# Allegro board WeChat_ZM_PART_20200601.brd (continued)
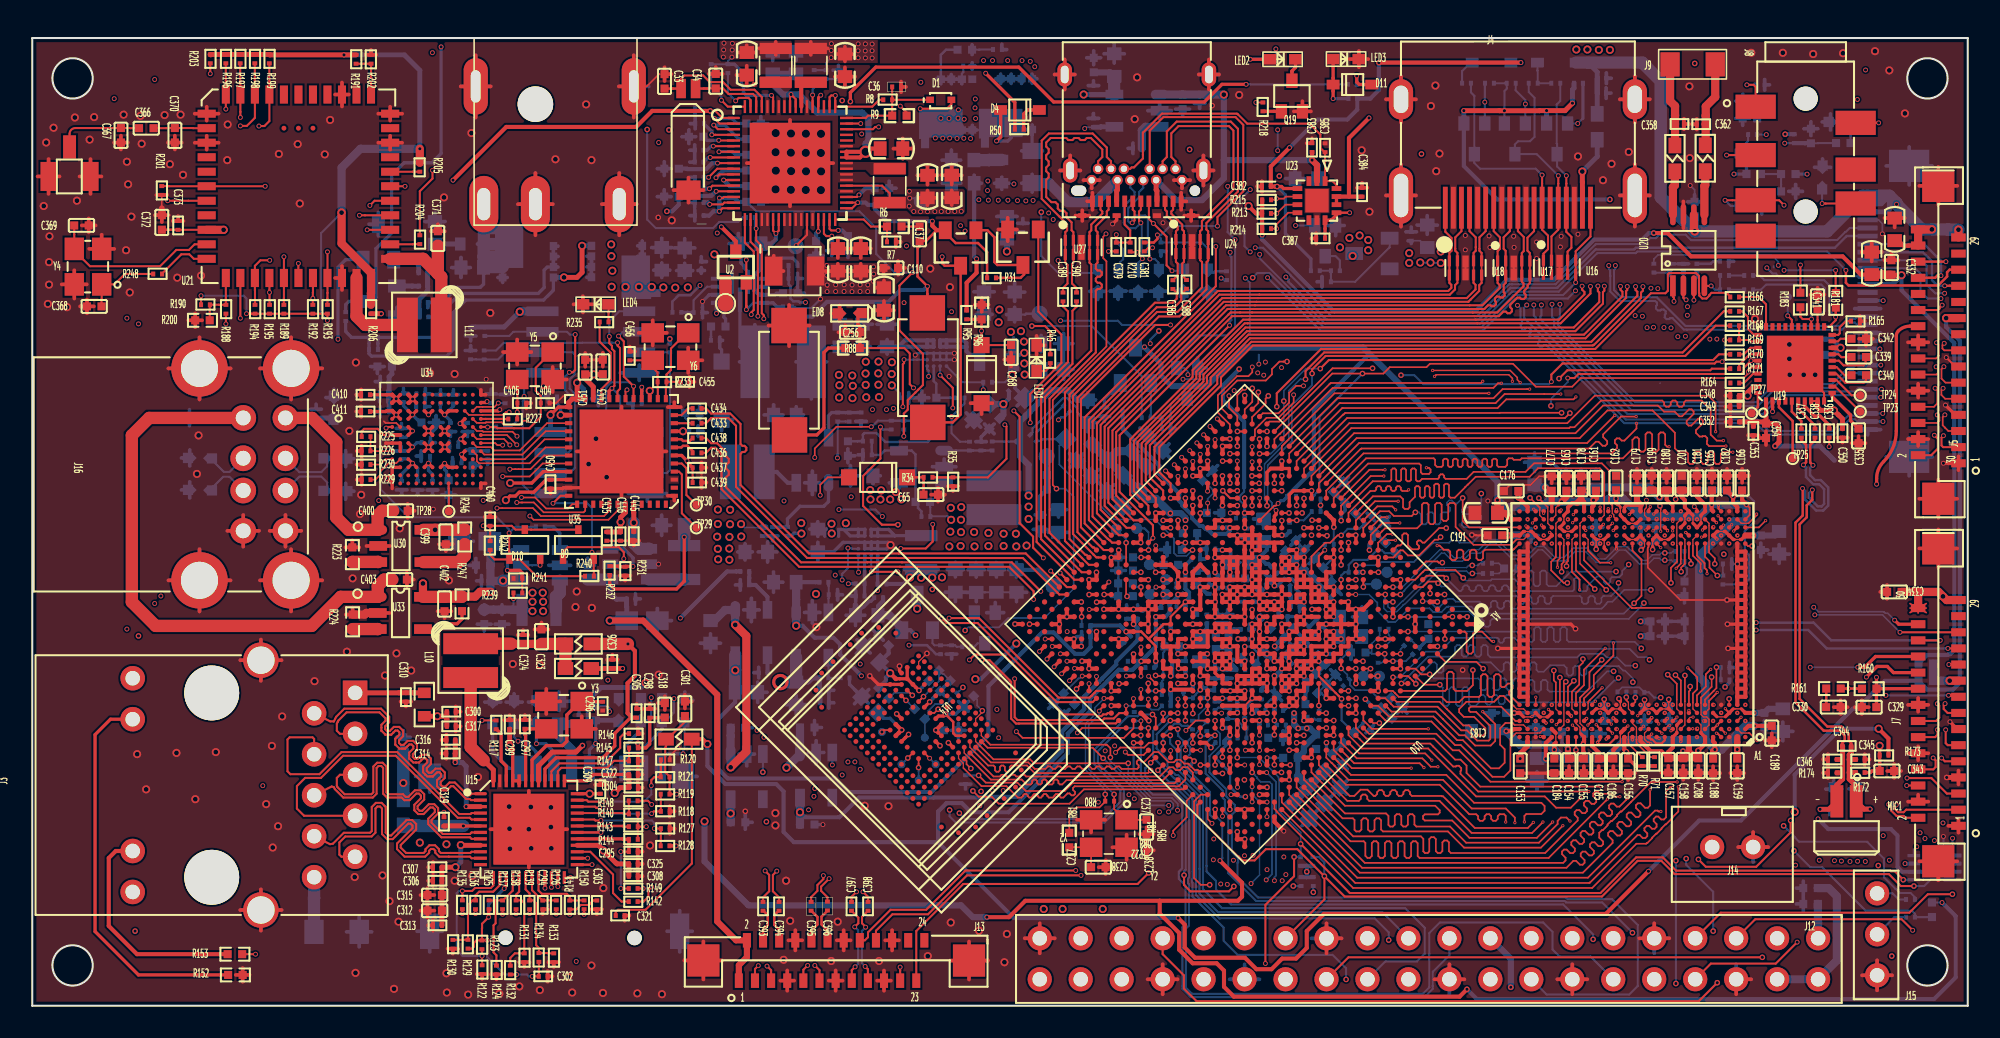
[diagram p0: board, top side]
## Routing (per net, layer and track width the routed paths; a pad name or vN(x,y) marks a point on that pad's centre or on a via; arc(x,y) is an arc through that point) (continued)
  SIG1 w0.127: v1(62.92,21.49) 62.14,20.72 62.14,20.51 62.32,20.34 62.32,20.13 62.14,19.96 62.14,19.75 62.32,19.57 62.32,19.37 62.14,19.19 62.14,18.99 62.32,18.81 62.32,18.61 62.14,18.43 62.14,18.23 62.32,18.05 62.32,17.85 62.14,17.67 62.14,17.47 62.32,17.29 62.32,17.09 62.14,16.91 62.14,16.7 62.32,16.53 62.32,16.32 62.14,16.15 62.14,12.33 59.52,9.71 46.47,9.71 45.91,9.16 45.91,8.61 46.16,8.36 v1(46.16,8.35)
PCIE_TX1P: length 31.6
  TOP w0.127: C393.1 45.31,6.72 45.69,7.1 45.69,8.11 v1(45.44,8.36)
  TOP w0.203: U10.AG30 v1(63.24,22.28)
  SIG1 w0.127: 63.24,22.28 63.24,22.28 ; 63.24,22.28 v1(63.24,22.28) ; 63.24,22.28 62.7,21.73 62.69,21.73 62.52,21.56 62.52,21.56 61.91,20.95 61.91,12.43 59.43,9.94 46.37,9.94 45.68,9.25 45.68,8.61 v1(45.44,8.36)
PGOOD_VDD09: length 1.5
  TOP w0.127: D10.2 v1(31.49,27.31)
  BOTTOM w0.127: v1(31.49,27.31) 31,27.31 U39.5
PGOOD_VDD12: length 5.9
  TOP w0.127: v1(36.68,27.72) 36.68,28.12 36.36,28.44 33.21,28.44 32.91,28.14 D9.1
  BOTTOM w0.127: v1(36.68,27.72) 36.34,27.38 U36.5
PGOOD_VDD18: length 2.1
  BOTTOM w0.203: U39.1 32.71,29.3 32.31,29.7 R238.1
PHONE_DET: length 4.5
  TOP w0.127: J8.5 v1(114.48,54.74)
  BOTTOM w0.127: R180.2 112.73,53.93 112.75,53.94 ED14.1 112.77,54.79 113.26,54.79 113.31,54.74 v1(114.48,54.74)
PHY_XTAL1: length 8.1
  TOP w0.203: C296.1 34.08,18.85 Y3.1 33.98,18.87 33.14,18.03 33.14,16.4 32.88,16.13 31.88,16.13 30.99,15.24 U15.42
PHY_XTAL2: length 4.6
  TOP w0.203: U15.43 30.59,16.77 30.54,16.82 C297.1 30.92,17.17 30.92,17.17 Y3.3
PHYRSTB: length 7.3
  TOP w0.127: v1(36.49,9.56) C295.1 ; R149.1 v1(36.49,7.27)
  TOP w0.203: C295.1 36.99,9.94 36.99,9.94 R144.2 36.64,10.32 36.61,10.35 U15.29
  BOTTOM w0.127: v1(36.49,7.27) v1(36.49,9.56)
PMEB: length 4
  TOP w0.127: R148.1 36.98,12.24 36.99,12.23 R140.2 36.68,11.89 36.62,11.95 U15.33
PMIC_EXT_EN: length 27.1
  TOP w0.152: U1.55 48.73,56.22 48.74,56.23 48.74,56.32 48.88,56.45 v1(48.88,56.45)
  SIG1 w0.152: v1(38.84,53.52) 38.84,50.25 41.4,47.68 v1(41.4,44.66)
  SIG2 w0.152: v1(38.84,53.52) 38.84,55.65 39.63,56.44 42.6,56.44 42.85,56.44 43.23,56.07 43.23,55.81 43.44,55.6 48.44,55.6 48.74,55.9 48.74,56.31 v1(48.88,56.45)
  BOTTOM w0.152: v1(41.4,44.66) 40.8,44.06 40.08,44.06 39.69,43.67 R41.1
PMIC_INT_L: length 66.7
  TOP w0.102: v1(70.58,15.82) U10.M30
  TOP w0.127: U1.49 52.12,54.35 52.26,54.49 v1(52.48,54.49)
  SIG1 w0.127: v1(51.33,14.66) 51.33,15.32 51.23,15.42 51.23,15.43 50.91,15.74 50.91,24.96 52.31,26.36 52.31,27.53 51.44,28.4 51.44,32.59 53.72,34.88 53.72,36.99 53.69,37.02 53.69,37.26 53.72,37.29 53.72,53.24 v1(52.48,54.49)
  SIG2 w0.102: v1(51.33,14.66) 52.26,13.73 56.46,13.73 58.05,15.32 58.17,15.32 58.17,15.32 65.16,15.32 65.95,14.54 68.16,14.54 68.44,14.83 68.44,14.83 68.47,14.86 68.47,15.46 68.99,15.98 69.46,15.98 69.72,15.98 70.1,15.6 70.36,15.6 v1(70.58,15.82)
PMIC_SLEEP_H: length 129.8
  TOP w0.102: v1(66.57,47.86) 66.4,47.69 66.4,46.36 66.6,46.16 66.6,40.88 63.27,37.55 63.27,32.29 v2(63.5,32.06) ; U10.R30 v2(69.2,17.22)
  TOP w0.127: U1.50 v1(51.36,54.7)
  SIG1 w0.102: v1(76.05,39.78) 75.9,39.93 72.46,39.93 v1(71.65,39.13)
  SIG1 w0.127: v1(78.32,48.38) 77.44,47.5 76.13,47.5 76.13,47.5 v1(74.57,47.5) 74.36,47.5 74.36,47.5 66.93,47.5 v1(66.57,47.86) ; v2(57.84,23.27) 57.6,23.27 53.82,19.5 53.82,18.7 54.15,18.37 54.15,17.45 56.87,14.73 v2(56.87,12.14)
  SIG2 w0.127: v1(51.36,54.7) 51.99,55.33 55.27,55.33 57.05,57.1 62.82,57.1 64.48,55.44 72.04,55.44 74.12,53.37 v1(74.12,50.81)
  BOTTOM w0.102: v1(71.65,39.13) 71.65,39.33 71.43,39.54 Q14.1 ; 58.4,23.46 59.93,23.46 60.5,24.03 62.74,24.03 64.57,25.86 64.57,31.55 64.06,32.06 v2(63.5,32.06) ; 58.4,23.46 Q13.1 ; 58.4,23.46 58.02,23.46 v2(57.84,23.27)
  BOTTOM w0.127: Q14.1 70.95,40.27 72.24,41.56 74.07,41.56 74.57,42.07 v1(74.57,47.5) 74.12,47.96 v1(74.12,50.81) ; 76.05,40.37 v1(76.05,39.78) ; v2(69.2,17.22) 67.51,17.22 66.07,15.78 66.07,15.04 67.68,13.43 67.68,12.56 66.47,11.36 57.26,11.36 56.87,11.74 v2(56.87,12.14) ; Q12.1 v1(78.32,48.38)
PORT_CEC: length 16
  TOP w0.127: v1(93.61,51.5) 93.61,50.97 93.61,50.97 J4.13 93.61,48.12 93.98,47.75 93.98,46.91 93.69,46.63 U16.10 U16.1
  BOTTOM w0.127: v1(93.61,51.5) 93.22,51.9 89.76,51.9 89.41,52.25 Q16.3 89.41,56.42 89.2,56.63 R157.2
PORT_HPD: length 45.8
  TOP w0.127: J4.19 96.61,47.7 95.69,46.78 U16.6 U16.5 v1(95.69,44.85)
  SIG2 w0.127: v2(69.85,41.84) 72.77,41.84 75.67,44.73 v2(75.67,45.14) ; v1(69.32,41.05) 69.62,40.75 69.62,39.93 66.65,36.96 64.26,36.96 v1(63.63,36.33)
  BOTTOM w0.127: v1(69.32,41.05) 69.32,41.31 v2(69.85,41.84) ; v2(75.67,45.14) 75.96,45.43 76.71,45.43 80.06,42.08 89.85,42.08 91.83,44.06 94.91,44.06 v1(95.69,44.85)
  BOTTOM w0.152: R109.2 63.98,36.49 63.79,36.49 v1(63.63,36.33)
PWR_KEY: length 154.2
  TOP w0.127: J13.21 53.81,2.18 v1(53.81,2.4) ; v1(53.82,55.78) 54.21,55.39 R9.1
  SIG1 w0.127: v2(6.38,4.63) 5.08,5.92 v1(5.08,56.24)
  SIG2 w0.127: v1(5.08,56.24) 18.34,56.24 21.49,53.09 23.66,53.09 23.91,52.84 24.15,52.84 24.4,53.09 39.14,53.09 41.94,55.89 42.55,55.89 43.36,55.07 43.95,55.07 44.26,55.38 48.54,55.38 48.94,55.78 50.56,55.78 50.59,55.75 50.85,55.75 50.88,55.78 v1(53.82,55.78) ; v1(53.81,2.4) 52.74,3.46 23.24,3.46 22.66,4.04 6.96,4.04 v2(6.38,4.63)
PWR_KEY_L: length 53.9
  TOP w0.127: D1.1 56.99,55.9 56.71,55.62 v1(55.05,55.62) ; v2(69.19,19.99) 69.19,19.67 69.2,19.67 U10.V27
  SIG1 w0.127: v1(59.81,18.37) 59.81,18.58 59.94,18.72 59.94,21.61 59.78,21.77 59.78,24.05 55.21,28.62 55.21,39.19 55.55,39.53 55.55,43.64 55.07,44.13 55.07,47.73 54.08,48.72 54.08,53.63 55.05,54.6 v1(55.05,55.62)
  SIG2 w0.127: v1(59.81,18.37) 65.33,18.37 65.72,17.98 66.27,17.98 66.46,18.17 67.06,18.17 67.26,18.36 67.26,18.85 68.4,19.99 v2(69.19,19.99)
REGOUT: length 7
  TOP w0.305: 27.99,15.22 28.59,14.63 U15.48
  TOP w0.762: 27.99,15.22 27.18,16.03 L10.1
RESET_L: length 58.4
  TOP w0.102: U10.T30 v1(68.74,17.66)
  TOP w0.127: v1(45.36,42.59) 45.36,42.81 45.23,42.94 45.23,46.91 45.19,46.96 45.19,47.15 44.88,47.45 v1(44.88,48.19) U1.20
  SIG1 w0.127: v1(45.36,42.59) 45.36,42.38 45.36,42.37 v1(45.36,16.64)
  SIG2 w0.102: v1(45.36,16.64) 52.04,16.64 52.77,15.91 55.79,15.91 55.95,15.75 56.72,15.75 57.26,16.3 57.77,16.3 57.77,16.3 64.6,16.3 66.91,16.3 66.99,16.39 67.46,16.39 v1(68.74,17.66)
  BOTTOM w0.102: C236.2 68.53,17.66 68.53,17.66 v1(68.74,17.66)
  BOTTOM w0.127: v1(44.88,48.19) 44.79,48.28 R3.2
RGMII_GR-: length 24.3
  TOP w0.203: R152.2 6.59,1.91 3.89,4.6 3.89,16.81 4.85,17.77 J3.12
RGMII_YE-: length 14
  TOP w0.254: J3.13 5.18,9.59 4.74,9.16 4.74,4.95 6.49,3.2 R153.2
RSET: length 6.8
  TOP w0.127: R146.1 36.69,16.87 36.45,16.64 36.45,15.98 35.5,15.03 32.68,15.03 32.19,14.54 U15.39
RTC_CLKO_SOC: length 71.6
  TOP w0.102: v1(64.8,16.92) 65.1,17.22 U10.U31
  TOP w0.127: v1(42.73,56.14) 43.12,55.75 U1.68
  SIG1 w0.102: 44.93,17.2 v1(44.93,17.07)
  SIG1 w0.127: v2(39.48,54.31) 39.48,49.94 42.19,47.22 43.13,47.22 43.74,46.61 43.74,32.14 44.93,30.94 44.93,17.2
  SIG2 w0.102: v1(44.93,17.07) 51.89,17.07 52.55,16.42 56.48,16.42 56.96,16.9 60.72,16.9 60.93,16.68 64.56,16.68 v1(64.8,16.92)
  SIG2 w0.127: v1(42.73,56.14) 40.82,56.14 39.48,54.8 v2(39.48,54.31)
  BOTTOM w0.127: v1(42.73,56.14) 42.73,56.36 42.09,56.99 R4.1
RTC_CLKO_WIFI: length 50.4
  TOP w0.127: v1(24.82,51.8) 24.82,51.29 24.03,50.5 R204.2 ; R203.1 v1(11.04,57.79) ; v1(43.61,56.1) 43.8,56.29 44.4,56.29 44.53,56.16 U1.67
  SIG1 w0.127: v1(24.81,59.09) 24.81,58.88 24.82,58.87 v1(24.82,51.8)
  SIG2 w0.127: v1(43.61,56.1) 43.61,56.76 41.28,59.09 25.11,59.09 25.11,59.09 v1(24.81,59.09) 24.51,59.09 24.51,59.09 23.6,59.09 22.3,57.79 v1(11.04,57.79)
  BOTTOM w0.127: v1(43.61,56.1) 43.13,56.59 R5.1
RX_CLK: length 2.5
  TOP w0.127: R126.1 31.99,6.53 31.99,6.53 C294.1 31.62,6.53 30.99,7.16 U15.19
RXCTL_AD2: length 10.2
  TOP w0.127: R122.2 27.89,2.83 27.88,2.84 R123.1 27.89,3.5 v1(27.89,3.08) ; U15.13 28.59,7.46 28.43,7.3 27.45,7.3 27.27,7.12 v1(26.67,7.12) R135.1
  BOTTOM w0.127: v1(26.67,7.12) 26.45,7.12 26.32,6.98 26.32,3.45 26.69,3.08 v1(27.89,3.08)
RXD0: length 6.2
  TOP w0.127: R130.2 26.67,4.08 26.67,4.09 R129.1 27.01,6.24 27.3,6.53 R136.1 27.48,6.85 27.71,7.07 28.58,7.07 28.99,7.48 U15.14
RXD1_TXDLY: length 6.7
  TOP w0.127: R125.1 28.73,6.53 ; 28.73,6.53 28.73,5.11 28.6,4.98 28.6,3.31 28.78,3.13 R124.2 ; 28.73,6.53 R137.1 29.18,6.53 29.79,7.14 U15.16
RXD2_AN0: length 6.7
  TOP w0.127: R132.1 29.64,2.97 29.92,3.25 30.16,3.25 30.17,3.25 R131.2 30.51,3.57 30.51,3.57 30.51,6.37 30.34,6.53 R138.1 30,6.89 30.19,7.08 U15.17
RXD3_AN1: length 6.1
  TOP w0.127: R133.2 31.99,3.25 31.97,3.27 R134.1 31.41,3.58 31.24,3.75 31.24,6.36 31.06,6.53 R139.1 30.84,6.96 30.59,7.21 U15.18
SDMMC0_CLK: length 36.4
  TOP w0.127: v1(68.27,19.04) 68.28,19.04 68.28,18.9 68.28,18.9 U10.V29
  SIG2 w0.102: 67.51,18.45 67.51,18.78 67.77,19.04 v1(68.27,19.04)
  SIG2 w0.127: v1(35.79,18.24) 36.12,18.57 39.85,18.57 40.08,18.8 52.74,18.8 53.86,19.92 55.52,19.92 57.48,17.96 65.42,17.96 65.63,17.75 66.37,17.75 66.56,17.94 67.16,17.94 67.51,18.29 67.51,18.45
  BOTTOM w0.127: v1(35.79,18.24) 35.79,18.43 35.62,18.6 R86.1
SDMMC0_CMD: length 47.1
  TOP w0.102: U10.V25 69.68,20.44 v2(69.65,20.48)
  SIG1 w0.102: v1(67.11,16.11) 67.11,16.33 68.08,17.3 68.08,17.94 68.91,18.77 68.91,19.24 69.65,19.97 v2(69.65,20.48)
  SIG2 w0.102: v1(31.26,16.25) 31.66,16.64 44.68,16.64 44.96,16.37 45.7,16.37 45.78,16.45 51.36,16.45 52.8,15.02 54.56,15.02 54.66,15.12 55.24,15.12 55.65,14.71 56.33,14.71 57.72,16.11 57.85,16.11 57.85,16.11 64.68,16.11 66.27,16.11 66.27,16.11 v1(67.11,16.11)
  BOTTOM w0.203: ED5.1 31.26,17.55 v1(31.26,16.25) 31.84,16.25 32.34,15.75 J2.3
SDMMC0_D0: length 37.1
  TOP w0.203: U10.Y27 v1(67.83,20.44)
  SIG2 w0.127: v1(67.83,20.44) 66.89,20.44 65.39,18.94 57.15,18.94 55.71,20.38 53.67,20.38 53.54,20.24 52.58,19.28 45.33,19.28 45.18,19.44 38.71,19.44 v1(38.38,19.11)
  BOTTOM w0.127: v1(38.38,19.11) 38.38,17.94 38.14,17.7 ED3.1
  BOTTOM w0.203: ED3.1 37.74,17.68 37.74,17.09 36.74,16.09 36.74,15.75 36.74,15.75 J2.7
SDMMC0_D1: length 36.7
  TOP w0.203: U10.Y26 v1(68.74,20.43)
  SIG2 w0.127: v1(68.74,20.43) 68.52,20.43 68.31,20.21 68.31,20.2 67.04,18.94 66.76,18.94 66.51,18.7 65.81,18.7 65.79,18.67 57.09,18.67 55.62,20.15 53.76,20.15 52.65,19.03 45.26,19.03 45.1,19.19 39.94,19.19 v1(39.79,19.04)
  BOTTOM w0.127: v1(39.79,19.04) 39.79,18.18 39.43,17.82 39.14,17.82 ED2.1
  BOTTOM w0.203: ED2.1 39.05,17.68 39.05,17.14 37.84,15.93 J2.8
SDMMC0_D2: length 47
  TOP w0.127: v2(67.38,19.97) 67.7,19.97 67.71,19.98 U10.Y28
  SIG1 w0.127: v4(66.57,17.07) 66.79,17.07 67.38,17.67 v2(67.38,19.97)
  SIG2 w0.102: v4(66.57,17.07) 66.36,17.07 66.11,17.32 65.51,17.32 65.26,17.57 54.13,17.57 54.11,17.59 53.7,17.59 53.68,17.57 44.67,17.57 44.43,17.33 28.8,17.33 28.55,17.07 v1(28.55,16.21)
  BOTTOM w0.203: 28.55,15.73 28.53,15.75 ; 28.55,15.73 29.56,14.72 J2.1 ; 28.55,15.73 v1(28.55,16.21) 28.55,16.22 28.55,17.55 ED7.1
SDMMC0_D3: length 45.7
  TOP w0.102: U10.U27 v1(69.66,18.69)
  SIG2 w0.102: v1(30.12,16.4) 30.54,16.82 30.94,16.82 31.24,17.12 44.59,17.12 44.82,17.35 45.05,17.35 45.12,17.27 53.34,17.27 53.44,17.38 53.76,17.38 53.78,17.4 54.03,17.4 54.05,17.38 55.17,17.38 55.76,16.78 56.5,16.78 57.1,17.38 64.8,17.38 65.49,16.68 65.73,16.68 66.75,16.68 66.83,16.77 67.14,16.77 69.06,18.69 v1(69.66,18.69)
  BOTTOM w0.127: 29.87,17.55 29.87,16.65 v1(30.12,16.4)
  BOTTOM w0.203: 29.87,17.55 ED6.1 ; J2.2 31.24,15.75 30.59,16.4 v1(30.12,16.4)
SDMMC0_DET_L: length 36.9
  TOP w0.127: U10.V28 68.74,19.37 68.73,19.38 v1(68.73,19.61)
  SIG1 w0.127: v1(66.52,15.8) 66.52,16.03 67.88,17.39 67.88,18.02 68.71,18.85 68.71,19.32 68.73,19.34 v1(68.73,19.61)
  SIG2 w0.102: v1(40.36,15.62) 51.87,15.62 53.16,14.33 56.21,14.33 57.8,15.92 57.92,15.92 57.93,15.92 64.76,15.92 65.81,15.92 65.93,15.8 v1(66.52,15.8)
  BOTTOM w0.127: ED1.1 40.46,17.66 40.46,17.3 40.44,17.28 40.44,15.92 40.36,15.84 v1(40.36,15.62)
  BOTTOM w0.203: v1(40.36,15.62) 39.4,15.62 38.94,15.17 J2.9
SDMMC0_PWR_H: length 34.4
  TOP w0.102: v2(69.46,18.06) 69.66,17.86 U10.R29
  SIG2 w0.127: v2(45.3,14.48) 46.03,13.75 48.38,13.75 48.39,13.76 48.63,13.76 50.57,11.82 57.12,11.82 57.24,11.94 v2(57.48,11.94)
  BOTTOM w0.127: v2(69.46,18.06) 68.65,18.06 68.53,17.95 67.93,17.95 67.42,17.43 65.85,15.87 65.85,14.95 65.98,14.83 67.46,13.34 67.46,12.65 66.38,11.57 57.85,11.57 v2(57.48,11.94) ; U13.3 v2(45.3,14.48)
SDMMC0_VDDPST: length 1
  TOP w0.102: U10.U26 v2(69.66,19.52)
  BOTTOM w0.127: C249.1 69.16,19.52 v2(69.66,19.52)
SV_CLK_MODE0: length 2.2
  TOP w0.102: R225.2 20.97,34.73 20.97,34.73 R226.2 21.27,34.4 21.28,34.39 U34.E12
SV_CLK_MODE1: length 2.5
  TOP w0.102: U34.D11 22.57,33.64 22.42,33.64 22.42,33.64 22.09,33.64 21.58,33.12 21.58,32.92 21.27,32.62 R229.2
SV_CLK_MODE2: length 1.5
  TOP w0.102: U34.D12 21.9,33.89 21.57,33.56 R230.2
SV_EXT_RESET_N: length 8
  TOP w0.127: v1(34.7,28.11) 34.7,27.78 D9.2 34.81,26.99 34.82,26.98 R240.1 ; U35.36 32.75,31.62 v1(32.29,31.15)
  BOTTOM w0.127: v1(32.29,31.15) 34.41,31.15 34.7,30.86 v1(34.7,28.11)
SV_RSTN: length 20.2
  TOP w0.127: C460.1 29.73,29.76 29.96,29.52 D10.3 30.93,29.52 30.93,29.52 D9.3 ; C460.1 27.97,29.76 27.97,29.76 v1(27.96,29.76) ; C460.1 R242.1 ; v1(21.94,35.82) 22.01,35.89 U34.H12
  SIG1 w0.127: v1(21.94,35.82) 21.72,35.82 21.48,35.57 v1(21.48,31.32) ; v1(27.96,31.33) 27.96,30.95 v1(27.96,29.76)
  SIG2 w0.127: v1(21.48,31.32) 21.73,31.32 21.73,31.33 v1(27.96,31.33)
TOUCH_INT_L1: length 54.3
  TOP w0.102: U10.AE6 v2(76.07,32.39)
  SIG1 w0.102: v2(76.07,32.39) 76.07,32.8 78.54,35.26 78.54,38.72 77.69,39.57 v1(77.46,39.57)
  SIG2 w0.127: v1(77.72,45.18) 77.72,44.94 77.46,44.67 v1(77.46,39.57)
  BOTTOM w0.152: J6.25 112.49,47.72 111.76,47 99.42,47 99.32,46.89 96.93,46.89 94.55,44.51 91.65,44.51 89.67,42.52 80.24,42.52 77.88,44.88 77.88,45.02 v1(77.72,45.18)
TOUCH_RST_L1: length 55.7
  TOP w0.102: v1(75.64,39.6) 75.64,39.28 75.4,39.04 74.69,39.04 73.51,37.85 73.51,36.78 74.25,36.04 U10.AK4
  SIG2 w0.102: v1(75.64,39.6) 75.64,40.29 76.2,40.85 76.2,46.1 75.82,46.47 v1(75.82,47)
  BOTTOM w0.127: J6.26 112.68,48.22 112.42,47.96 112.39,47.96 111.9,47.48 111.51,47.48 111.51,47.47 102.85,47.47 102.51,47.81 100.88,47.81 100.66,47.6 100.31,47.6 99.94,47.22 96.94,47.22 94.45,44.73 91.55,44.73 89.57,42.75 80.54,42.75 78.01,45.28 78.01,45.3 77.84,45.47 77.83,45.47 76.3,47 v1(75.82,47)
TXCTL: length 5.1
  TOP w0.127: U15.27 34.6,9.55 36.01,8.14 36.01,6.99 36.54,6.46 R142.1
TYPEC0_DM: length 33.8
  TOP w0.127: v1(68.2,48.54) 68.34,48.69 68.34,49.25 68.23,49.36 J11.A7 ; v1(66.75,26.27) 66.69,26.21 66.69,26.21 U10.AH23
  SIG1 w0.127: v1(66.75,26.27) 66.75,26.27 ; 66.75,26.27 66.75,26.55 64.65,28.65 64.65,42.93 67.73,46.01 69,46.01 v1(69.29,46.3) ; 66.75,26.27 66.76,26.26
  BOTTOM w0.127: ED21.1 69.82,45.58 69.82,46.07 69.59,46.3 v1(69.29,46.3) 69.29,46.6 69.16,46.73 69.16,48.83 69,49 68.38,49 68.2,48.82 v1(68.2,48.54) 68.05,48.54 67.94,48.65 67.94,49.44 68.62,50.12 68.62,50.46 68.88,50.72 J11.B7
TYPEC0_DP: length 33.7
  TOP w0.127: v1(68.73,48.54) 68.62,48.66 68.62,49.25 68.73,49.36 J11.A6 ; U10.AG23 v2(66.46,25.5)
  SIG1 w0.127: v1(68.83,46.32) 67.64,46.32 64.37,43.05 64.37,28.04 66.46,25.95 v2(66.46,25.5)
  BOTTOM w0.127: 68.66,45.56 ED22.1 68.58,45.58 68.58,46.07 v1(68.83,46.32) 68.83,46.74 68.78,46.78 68.78,48.49 v1(68.73,48.54) 68.39,48.2 67.99,48.2 67.67,48.53 67.67,49.56 68.34,50.24 68.34,50.46 68.08,50.72 J11.B6
TYPEC0_RX1N: length 38.9
  TOP w0.127: J11.B10 70.08,52.36 70.34,52.62 70.34,54.21 70.95,54.82 74.31,54.82 74.75,54.38 74.75,50.49 72.8,48.53 72.8,48.13 72.91,48.02 U24.6 U24.5 72.91,46.21 72.81,46.11 72.81,44.43 71.12,42.74 69.85,42.74 64.8,37.69 64.8,29.36 65.75,28.41 65.82,28.41 U10.AL21
TYPEC0_RX1P: length 39
  TOP w0.127: J11.B11 70.88,52.36 70.62,52.62 70.62,54.09 71.07,54.54 74.19,54.54 74.47,54.26 74.47,50.6 72.52,48.65 72.52,48.13 72.41,48.02 U24.7 U24.4 72.41,46.23 72.53,46.11 72.53,44.54 71,43.02 69.97,43.02 69.73,43.02 64.52,37.81 64.52,29.25 65.97,27.8 66.08,27.8 66.09,27.8 U10.AK21
TYPEC0_RX2N: length 25.9
  TOP w0.127: U10.AL23 63.07,29.33 63.07,37.63 65.94,40.5 65.94,44.33 66.05,44.44 66.2,44.44 66.31,44.56 66.31,44.71 66.2,44.82 66.05,44.82 65.94,44.94 65.94,45.09 66.05,45.21 66.2,45.21 66.31,45.32 66.31,45.48 66.2,45.59 66.05,45.59 65.94,45.7 65.94,45.96 66.05,46.07 U27.5 U27.6 66.05,47.97 65.94,48.08 65.94,48.32 66.62,49.01 66.62,49.25 66.73,49.36 J11.A10
TYPEC0_RX2P: length 26
  TOP w0.127: J11.A11 66.23,49.36 66.34,49.25 66.34,49.12 65.66,48.44 65.66,48.08 65.55,47.97 U27.7 U27.4 65.55,46.07 65.66,45.96 65.66,40.62 62.79,37.75 62.79,29.15 65.06,26.88 U10.AK23
TYPEC0_SBU1: length 32.7
  TOP w0.102: v1(66.73,46.77) 66.93,46.77
  TOP w0.127: v1(70.57,42.21) 69.63,42.21 65.02,37.6 65.02,29.66 66.43,28.26 U10.AK20 ; 66.93,46.77 C379.1
  SIG1 w0.127: v1(63.6,46.21) 63.75,46.06 v1(63.75,42.47)
  SIG2 w0.127: v1(66.73,46.77) 66.73,46.39 66.55,46.21 v1(63.6,46.21)
  BOTTOM w0.127: v1(70.57,42.21) 67.57,42.21 67.31,42.47 v1(63.75,42.47)
TYPEC0_SBU1_DC: length 28.1
  TOP w0.127: R210.1 68.12,46.72 v1(68.5,46.72) ; v1(74.23,42.19) 67.42,35.37 67.42,31.86 69.48,29.79 v1(69.48,29) 69.39,28.9 69.38,28.9 U10.AH17
  SIG1 w0.127: v1(74.27,46.72) 74.22,46.67 68.55,46.67 v1(68.5,46.72)
  BOTTOM w0.127: v1(74.23,42.19) 74.23,42.4 74.35,42.51 74.35,46.43 74.27,46.5 v1(74.27,46.72)
TYPEC0_SBU2: length 26.8
  TOP w0.127: v1(73.38,47.07) 73.38,44.61 65.25,36.48 65.25,29.91 U10.AL20 ; C381.1 68.97,46.77 69.2,47 v1(69.45,47)
  SIG1 w0.127: v1(69.45,47) 69.67,47 69.74,47.07 v1(73.38,47.07)
TYPEC0_SBU2_DC: length 63.6
  TOP w0.127: U10.AG17 v1(69.66,28.52)
  SIG1 w0.102: v1(50.77,31.55) 50.77,32.64 52.96,34.83 ; v1(73.71,45.12) 74.75,45.12 74.75,45.11 75.01,45.11 75.01,45.12 v1(75.21,45.12)
  SIG1 w0.127: v1(52.96,36.96) 52.96,34.83
  SIG2 w0.102: v1(50.77,31.55) 51,31.32 51,28.33 51.66,27.67 61.98,27.67 63.35,29.04 68.94,29.04 69.45,28.52 v1(69.66,28.52) ; v1(52.96,36.96) 53.1,37.1 53.1,37.28 55.19,39.37 58.46,39.37 59.04,38.79 59.05,38.79 59.67,38.17 61.56,38.17 64.72,41.33 70.42,41.33 71.34,40.41 v1(71.34,38.85)
  BOTTOM w0.102: R207.1 73.83,44.99 v1(73.71,45.12) ; v1(71.34,38.85) 72.65,38.85 75.49,41.69 75.49,44.84 v1(75.21,45.12)
TYPEC0_TX1N: length 21.8
  TOP w0.127: U10.AK22 65.51,27.34 65.08,27.77 64.03,28.82 64.03,38.01 69.6,43.59 70.7,43.59 70.96,43.84 70.96,44.2 C386.1
TYPEC0_TX1P: length 20.8
  TOP w0.127: C388.1 71.24,44.12 71.24,43.73 70.82,43.31 69.72,43.31 64.31,37.9 64.31,28.94 65.29,27.96 65.36,27.96 U10.AL22
TYPEC0_TX2N: length 19.6
  TOP w0.127: U10.AK24 64.61,26.42 62.27,28.76 62.27,37.97 64.21,39.91 64.21,43.05 63.91,43.36 C389.1
TYPEC0_TX2P: length 18.6
  TOP w0.127: C390.1 64.74,43.34 64.49,43.09 64.49,39.79 62.55,37.85 62.55,28.93 U10.AL24
TYPEC0_U2VBUSDET: length 24.3
  TOP w0.102: U10.AK30 v2(61.83,23.66)
  TOP w0.127: R96.2 58.86,42.24 58.85,42.23 v1(58.85,41.84) 58.85,41.56 ; D5.2 60.37,40.96 60.38,40.97 C268.1
  TOP w0.203: R96.2 58.51,42.55 58.51,42.56 R95.2 ; 58.85,41.56 D5.2
  SIG1 w0.127: v2(61.83,23.66) 61.83,24.31 59.72,26.42 59.72,40.98 v1(58.85,41.84)
TYPEC1_U3VBUSDET: length 0.6
  TOP w0.102: U10.AC19 v2(70.11,25.5)
  BOTTOM w0.102: TP16.1 70.27,25.5 v2(70.11,25.5)
TYPEC_AUXM: length 27
  TOP w0.127: J11.B8 69.28,54.25 70.13,55.1 74.6,55.1 75.08,54.62 75.08,50.5 73.48,48.9 v1(73.48,48.34)
  TOP w0.152: C381.2 69.54,47.32 69.76,47.55 v1(69.76,47.79)
  BOTTOM w0.127: ED23.1 72.87,45.61 72.87,46.09 72.89,46.11 72.89,46.95 72.52,47.33 R209.1 69.98,47.57 v1(69.76,47.79) 69.98,47.79 70.54,48.34 v1(73.48,48.34)
  BOTTOM w0.152: R207.2 73.34,45.54 73.27,45.47 73.01,45.47 ED23.1
TYPEC_AUXP: length 6.6
  TOP w0.127: J11.A8 67.73,48.42 68.07,48.08 R210.2 67.55,47.32 67.55,47.32 C379.2 v1(67.21,47.81)
  BOTTOM w0.127: ED24.1 67.43,45.65 67.43,46.07 67.64,46.29 67.64,46.92 67.23,47.33 R208.1 v1(67.21,47.81) 67.21,47.82
TYPEC_CC1: length 22.3
  TOP w0.127: v1(70.66,45.57) 70.33,45.91 70.33,47.68 v1(69.51,48.5) 69.23,48.78 J11.A5
  TOP w0.152: U23.11 v1(81.68,49.17)
  TOP w0.203: C387.1 80.15,48.18 80.15,48.18 U23.10 80.53,48.71 80.57,48.74 80.58,48.74 80.86,49.03 U23.11
  SIG1 w0.127: v1(81.68,49.17) 81.68,49.52 81.51,49.69 76.99,49.69 76.66,50.02 70.35,50.02 69.51,49.17 v1(69.51,48.5)
  BOTTOM w0.127: v1(70.66,45.57) 71.39,45.57 ED26.1
TYPEC_CC2: length 34.4
  TOP w0.127: J11.B5 68.07,51.89 68.16,51.98 68.3,51.98 68.32,52 68.86,52.53 68.86,52.76 68.86,54.13 70.04,55.31 74.69,55.31 74.73,55.28 74.75,55.28 75.33,54.69 79.19,54.69 79.86,54.01 79.86,53.29 79.87,53.29 79.87,53.18 80.13,52.92 C385.1 80.15,52.61 U23.1 80.62,51.13 80.86,50.88 U23.14
  SIG2 w0.127: v2(62.56,49.21) 62.56,51.62 63.7,52.76 67.2,52.76 67.68,52.28 J11.B5
  BOTTOM w0.127: ED25.1 65.96,45.44 63.61,45.44 62.56,46.49 v2(62.56,49.21)
TYPECTX1N: length 5.4
  TOP w0.127: J11.A3 70.23,49.36 70.34,49.25 70.34,48.99 70.73,48.6 70.73,48.6 71.02,48.31 71.02,48.13 70.91,48.02 U24.10 U24.1 70.91,46.12 71.02,46.01 71.02,45.29 C386.2
TYPECTX1P: length 5.4
  TOP w0.127: J11.A2 70.73,49.36 70.62,49.25 70.62,49.1 71.01,48.72 71.01,48.72 71.3,48.43 71.3,48.13 71.41,48.02 U24.9 U24.2 71.41,46.12 71.3,46.01 71.3,45.27 C388.2
TYPECTX2N: length 16.3
  TOP w0.127: J11.B3 66.88,52.36 66.62,52.62 66.62,53.21 65.75,54.08 63.03,54.08 62.59,53.64 62.59,50.03 64.16,48.45 64.16,48.08 64.05,47.97 U27.10 U27.1 64.05,46.07 64.19,45.94 64.19,44.78 63.91,44.5 C389.2
TYPECTX2P: length 16.2
  TOP w0.127: C390.2 64.74,44.5 64.47,44.78 64.47,45.99 64.55,46.07 U27.2 U27.9 64.55,47.97 64.44,48.08 64.44,48.57 64.12,48.89 64.12,49.14 63.98,49.29 63.72,49.29 63.58,49.43 63.58,49.68 63.44,49.82 63.18,49.82 62.87,50.14 62.87,51.21 63.02,51.36 63.02,51.59 62.87,51.75 62.87,51.97 63.02,52.13 63.02,52.35 62.87,52.51 62.87,52.74 63.02,52.89 63.02,53.12 62.87,53.27 62.87,53.52 63.14,53.8 64.11,53.8 64.24,53.68 64.49,53.68 64.62,53.8 64.87,53.8 65,53.68 65.25,53.68 65.38,53.8 65.63,53.8 66.34,53.09 66.34,52.62 66.08,52.36 J11.B2
UART2DBG_RX: length 76.9
  TOP w0.102: v2(75.64,38.28) 75.64,37.44 75.17,36.98 U10.AK2
  SIG2 w0.127: v2(109.22,9.61) 109.22,10.9 110.1,11.78 110.1,18.79 111.28,19.97 111.28,26.85 110.87,27.26 110.87,32.29 110.48,32.68 109.05,32.68 108.55,33.19 107.05,34.69 105.46,34.69 104.46,34.69 97.09,42.05 94.32,42.05 80.65,42.05 80.4,41.8 77.37,38.77 76.98,38.77 76.66,38.45 75.81,38.45 v2(75.64,38.28)
  BOTTOM w0.127: v2(109.22,9.61) 110.24,8.59 110.97,8.59 113.67,5.9 116.53,5.9 116.72,5.71 R221.1 117.46,5.49 117.47,5.5 R222.2
UART2DBG_TX: length 74.1
  TOP w0.127: U10.AJ4 v2(74.71,34.69)
  SIG2 w0.127: v2(74.71,34.69) 74.71,35.17 74.84,35.3 74.85,35.3 75.03,35.48 75.03,35.49 75.68,36.14 77.64,36.14 82.5,41 94.76,41 96.66,41 104.02,33.63 105.9,33.63 106.61,33.63 107.5,32.75 109.64,30.61 109.64,29.53 109.64,28.58 109.64,24.68 110.63,23.69 110.63,20.24 109.45,19.06 109.45,13.52 109.42,13.49 109.17,13.24 108.79,12.86 108.58,12.65 v2(108.58,11.16)
  BOTTOM w0.127: R220.1 116.72,6.72 116.46,6.99 115.8,6.99 115.54,7.24 115.52,7.24 114.81,7.96 114.81,9.12 113.77,10.17 109.55,10.17 109.3,10.42 109.3,10.44 v2(108.58,11.16)
USB3-VBUS: length 38.1
  TOP w0.762: J16.B1 7.25,36.45 6.17,35.37 6.17,25.03 7.65,23.55 17.33,23.55 19.13,25.35 U33.1 21.42,26.03 21.82,26.42 C403.1
  BOTTOM w0.305: J16.B1 11.61,36.45 11.6,36.45 11.02,36.45 ED15.1
USB3_DM: length 72
  TOP w0.203: v2(65.52,25.49) 65.53,25.5 U10.AH24
  SIG2 w0.127: J16.B2 12.81,33.95 11.91,33.05 11.35,33.05 11.07,33.33 11.07,34.53 11.66,35.12 18.65,35.12 19.32,34.46 19.32,33.14 19.21,33.03 19.09,33.03 18.97,32.92 18.97,32.76 19.09,32.65 19.21,32.65 19.32,32.54 19.32,32.38 19.21,32.27 19.09,32.27 18.97,32.16 18.97,32 19.09,31.89 19.21,31.89 19.32,31.78 19.32,31.62 19.21,31.51 19.09,31.51 18.97,31.4 18.97,31.24 19.09,31.13 19.21,31.13 19.32,31.01 19.32,30.86 19.21,30.74 19.09,30.74 18.97,30.63 18.97,30.48 19.09,30.36 19.21,30.36 19.32,30.25 19.32,30.09 19.21,29.98 19.09,29.98 18.97,29.87 18.97,29.71 19.09,29.6 19.21,29.6 19.32,29.49 19.32,29.18 19.98,28.52 33.06,28.52 36.63,24.96 36.79,24.8 53.74,24.8 54.04,25.1 61.07,25.1 61.58,24.59 62.77,24.59 63.89,25.7 65.31,25.7 v2(65.52,25.49)
  BOTTOM w0.127: ED17.1 11.04,33.94 11.88,33.1 12.23,33.1 J16.B2
USB3_DP: length 71.9
  TOP w0.203: U10.AG24 66.01,25.04 v2(65.99,25.02)
  SIG2 w0.127: v2(65.99,25.02) 65.99,25.49 65.49,25.98 63.77,25.98 62.65,24.87 61.7,24.87 61.19,25.38 53.92,25.38 53.62,25.08 36.9,25.08 33.18,28.8 21.62,28.8 21.49,28.94 21.24,28.94 21.11,28.8 20.09,28.8 19.6,29.3 19.6,34.57 18.77,35.4 11.55,35.4 10.79,34.65 10.79,33.22 11.23,32.77 11.91,32.77 12.74,31.95 J16.B3
  BOTTOM w0.127: J16.B3 12.23,32.8 11.84,32.8 11.02,31.98 ED18.1
USB-VBUS: length 16.3
  TOP w0.762: C400.1 21.69,30.69 21.41,30.41 21.41,29.55 U30.1 19.61,29.51 18.85,30.27 18.85,34.94 17.35,36.45 J16.A1
  BOTTOM w0.305: ED16.1 18.66,36.44 C401.1 17.17,36.44 17.16,36.45 J16.A1
VPP_OTP: length 37.3
  TOP w0.127: U1.6 v1(42.23,53.3)
  TOP w0.152: SW1.2 57.07,36.17 57.56,36.66 Q1.3 56.57,45.88 56.41,46.04 v1(56.41,46.44)
  SIG1 w0.152: v1(42.47,47.91) 41.94,47.91 40.56,49.28 40.56,52.61 41.25,53.3 v1(42.23,53.3)
  SIG2 w0.152: v1(56.41,46.44) 44.75,46.44 43.28,47.91 v1(42.47,47.91)
  BOTTOM w0.203: C35.2 41.85,53.05 42.1,53.3 v1(42.23,53.3)
